# Allegro board 6089-103-RevA_73.brd (continued)
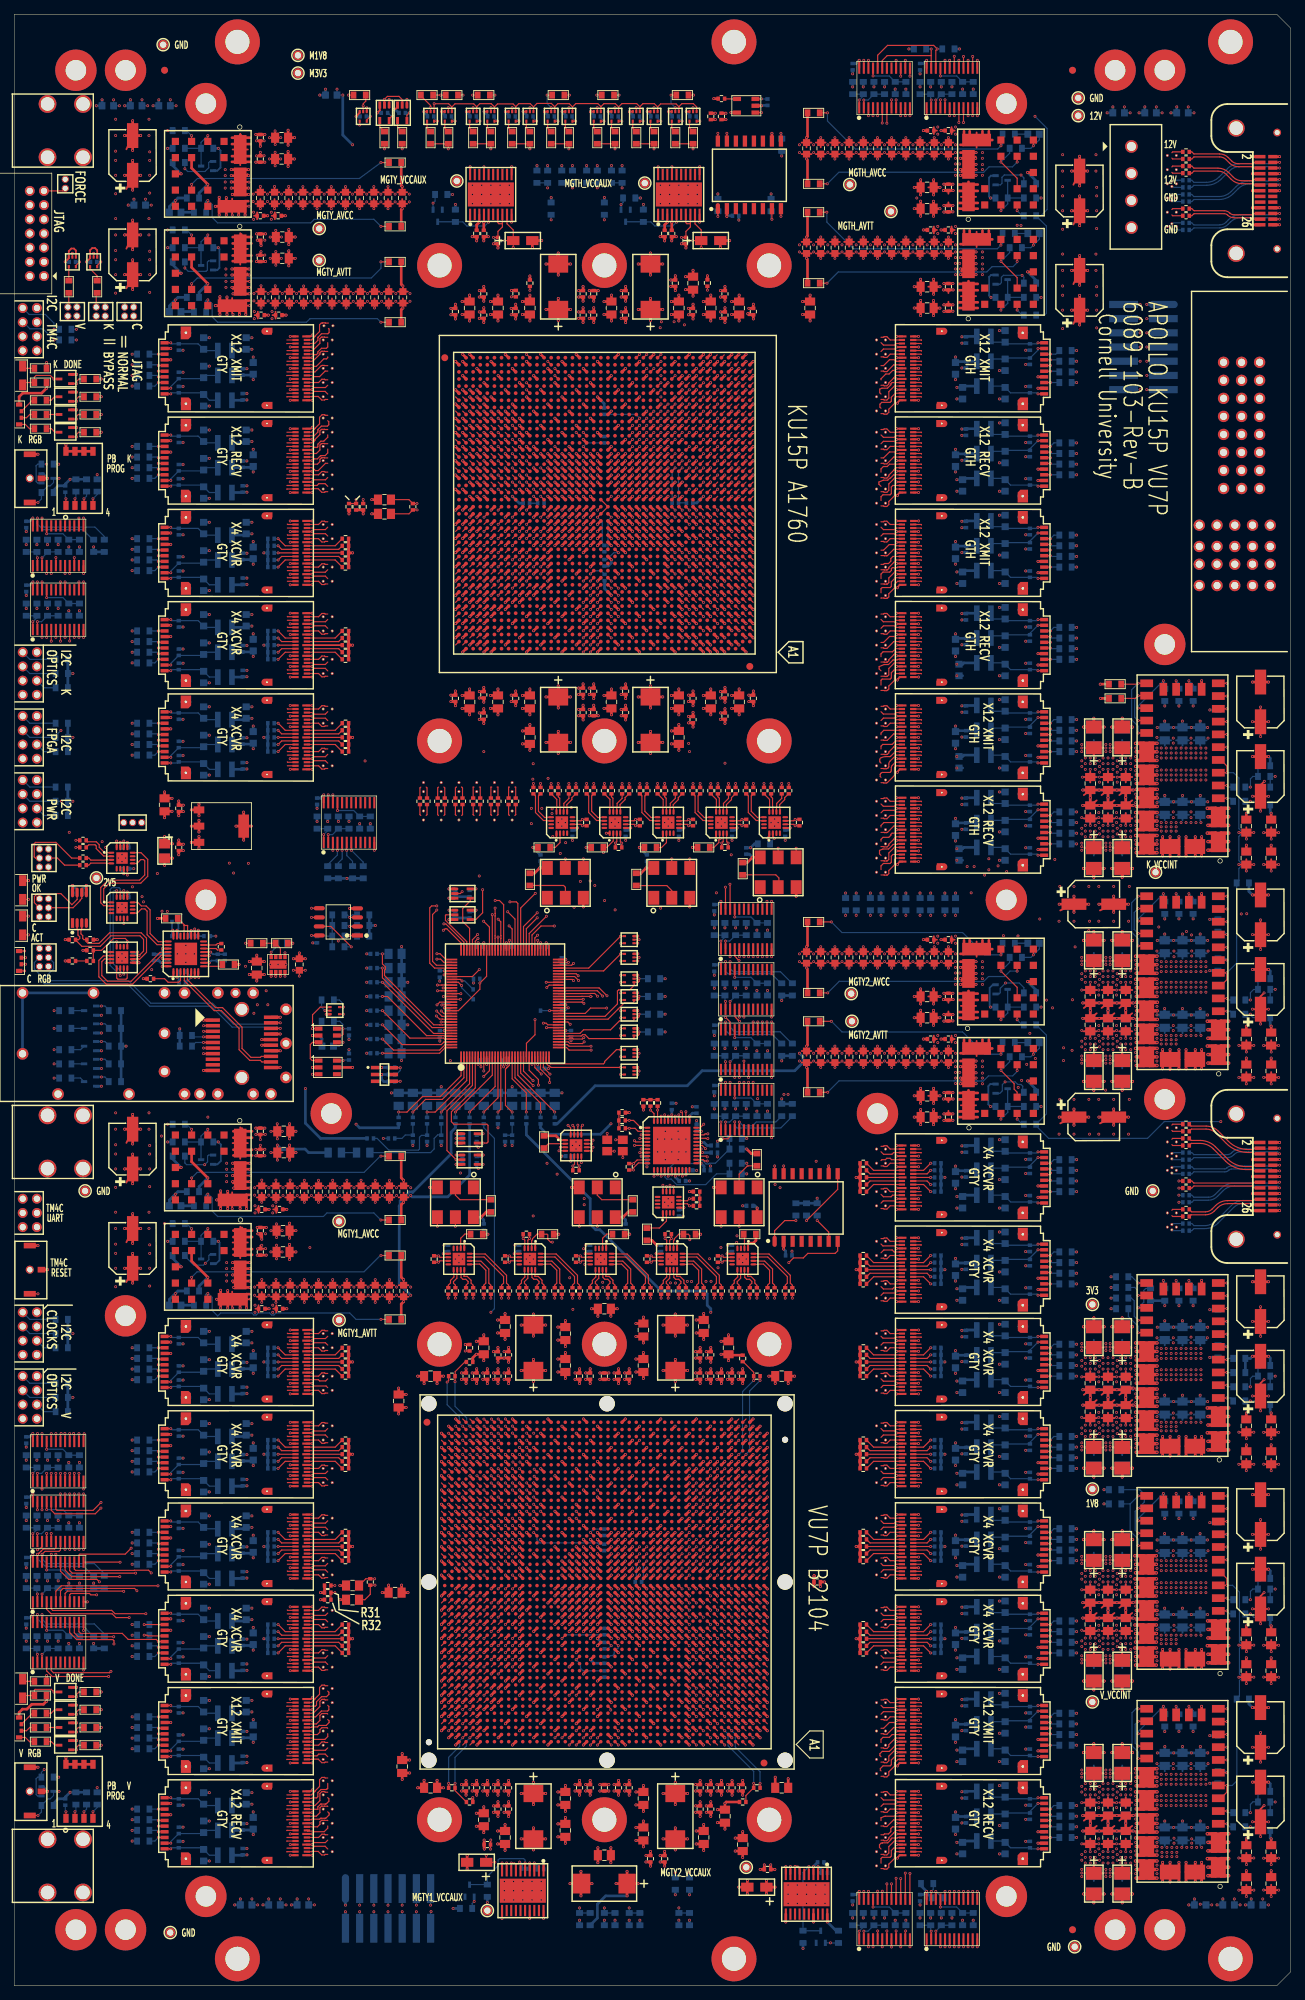
[diagram p0: board, top side]
## Placement (name value [footprint] x y rotation side) (continued)
C95  47 UF  [CAPC_EIA0805]  58.7 27.9 180 top
C96  0.1 UF  [CAPC_EIA0402]  59.7 166.9 90 top
C97  0.1 UF  [CAPC_EIA0402]  60.7 166.9 90 top
C98  0.1 UF  [CAPC_EIA0402]  61.2 97.9 270 top
C99  0.1 UF  [CAPC_EIA0402]  62.2 235.9 90 top
C100  0.1 UF  [CAPC_EIA0402]  62.2 181.4 270 top
C101  0.1 UF  [CAPC_EIA0402]  62.2 166.9 90 top
C102  0.1 UF  [CAPC_EIA0402]  62.2 97.9 270 top
C103  0.1 UF  [CAPC_EIA0402]  63.2 166.9 90 top
C104  0.1 UF  [CAPC_EIA0402]  63.7 97.9 270 top
C105  4.7 UF  [CAPC_EIA0402]  63.7 85.9 90 top
C106  4.7 UF  [CAPC_EIA0402]  63.7 27.9 270 top
C107  47 UF  [CAPC_EIA0805]  64.2 236.4 90 top
C108  47 UF  [CAPC_EIA0805]  64.2 180.9 270 top
C109  0.1 UF  [CAPC_EIA0402]  64.7 166.9 90 top
C110  0.1 UF  [CAPC_EIA0402]  64.7 97.9 270 top
C111  4.7 UF  [CAPC_EIA0402]  65.2 246.9 270 top
C112  4.7 UF  [CAPC_EIA0402]  65.2 85.9 90 top
C113  0.1 UF  [CAPC_EIA0402]  65.2 27.9 270 top
C114  100 UF  [CAPTANT_3216_P1]  65.2 17.4 180 top
C115  0.1 UF  [CAPC_EIA0402]  65.7 166.9 90 top
C116  0.1 UF  [CAPC_EIA0402]  66.2 246.9 270 top
C117  4.7 UF  [CAPC_EIA0402]  66.2 238.4 90 top
C118  4.7 UF  [CAPC_EIA0402]  66.2 235.4 90 top
C119  4.7 UF  [CAPC_EIA0402]  66.2 181.9 270 top
C120  4.7 UF  [CAPC_EIA0402]  66.2 178.9 270 top
C121  0.1 UF  [CAPC_EIA0402]  66.2 97.9 270 top
C122  47 UF  [CAPC_EIA0805]  66.2 89.9 90 top
C123  47 UF  [CAPC_EIA0805]  66.2 23.4 270 top
C124  0.1 UF  [CAPC_EIA0402]  66.7 85.9 90 top
C125  4.7 UF  [CAPC_EIA0402]  66.7 27.9 270 top
C126  0.1 UF  [CAPC_EIA0402]  66.7 19.9 180 top
C127  0.1 UF  [CAPC_EIA0402]  67.2 166.9 270 top
C128  0.1 UF  [CAPC_EIA0402]  67.2 97.9 270 top
C129  0.1 UF  [CAPC_EIA0402]  68.2 245.9 270 top
C130  47 UF  [CAPC_EIA0805]  68.2 236.4 90 top
C131  47 UF  [CAPC_EIA0805]  68.2 180.9 270 top
C132  0.1 UF  [CAPC_EIA0402]  68.2 166.9 270 top
C133  0.1 UF  [CAPC_EIA0402]  68.2 88.9 90 top
C134  4.7 UF  [CAPC_EIA0402]  68.2 85.9 90 top
C135  4.7 UF  [CAPC_EIA0402]  68.2 27.9 270 top
C136  0.1 UF  [CAPC_EIA0402]  68.2 24.9 270 top
C137  0.1 UF  [CAPC_EIA0402]  68.7 97.9 270 top
C138  47 UF  [CAPC_EIA0805]  69.2 92.9 90 top
C139  47 UF  [CAPC_EIA0805]  69.2 20.9 270 top
C140  0.1 UF  [CAPC_EIA0402]  69.7 166.9 270 top
C141  0.1 UF  [CAPC_EIA0402]  69.7 97.9 270 top
C142  4.7 UF  [CAPC_EIA0402]  69.7 88.9 90 top
C143  4.7 UF  [CAPC_EIA0402]  69.7 85.9 90 top
C144  4.7 UF  [CAPC_EIA0402]  69.7 27.9 270 top
C145  4.7 UF  [CAPC_EIA0402]  69.7 24.9 270 top
C146  4.7 UF  [CAPC_EIA0402]  70.7 235.9 90 top
C147  4.7 UF  [CAPC_EIA0402]  70.7 181.4 270 top
C148  0.1 UF  [CAPC_EIA0402]  70.7 166.9 270 top
C149  0.1 UF  [CAPC_EIA0402]  71.2 97.9 270 top
C150  100 UF  [CAPTANT_3216_P1]  71.7 245.9 0 top
C151  0.1 UF  [CAPC_EIA0402]  72.2 97.9 270 top
C152  47 UF  [CAPC_EIA0805]  72.7 236.4 90 top
C153  100 UF  [CAPC_EIA0805]  72.7 180.9 270 top
C154  47 UF  [CAPC_EIA0805]  72.7 175.9 270 top
C155  0.1 UF  [CAPC_EIA0402]  73.2 168.4 90 top
C156  470 UF  [CAPTANT_7343_P1]  73.2 89.9 90 top
C157  470 UF  [CAPTANT_7343_P1]  73.2 23.9 270 top
C158  0.1 UF  [CAPC_EIA0402]  73.7 97.9 270 top
C159  0.1 UF  [CAPC_EIA0402]  74.2 168.4 90 top
C160  0.1 UF  [CAPC_EIA0402]  74.7 97.9 270 top
C161  0.1 UF  [CAPC_EIA0402]  75.7 168.4 90 top
C162  0.1 UF  [CAPC_EIA0402]  76.2 97.9 270 top
C163  470 UF  [CAPTANT_7343_P1]  76.7 239.4 90 top
C164  470 UF  [CAPTANT_7343_P1]  76.7 178.4 270 top
C165  0.1 UF  [CAPC_EIA0402]  76.7 168.4 90 top
C166  0.1 UF  [CAPC_EIA0402]  77.2 97.9 270 top
C167  100 UF  [CAPC_EIA0805]  77.7 91.9 90 top
C168  100 UF  [CAPC_EIA0805]  77.7 87.4 90 top
C169  100 UF  [CAPC_EIA0805]  77.7 26.4 270 top
C170  100 UF  [CAPC_EIA0805]  77.7 21.9 270 top
C171  0.1 UF  [CAPC_EIA0402]  78.2 168.4 90 top
C172  0.1 UF  [CAPC_EIA0402]  78.7 97.9 270 top
C173  0.1 UF  [CAPC_EIA0402]  79.2 168.4 90 top
C174  0.1 UF  [CAPC_EIA0402]  79.7 97.9 270 top
C175  4.7 UF  [CAPC_EIA0402]  79.7 85.9 90 top
C176  4.7 UF  [CAPC_EIA0402]  79.7 27.9 270 top
C177  4.7 UF  [CAPC_EIA0402]  80.2 238.4 90 top
C178  4.7 UF  [CAPC_EIA0402]  80.2 235.4 90 top
C179  4.7 UF  [CAPC_EIA0402]  80.2 182.4 270 top
C180  4.7 UF  [CAPC_EIA0402]  80.2 179.4 270 top
C181  0.1 UF  [CAPC_EIA0402]  80.7 168.4 90 top
C182  0.1 UF  [CAPC_EIA0402]  81.2 97.9 270 top
C183  4.7 UF  [CAPC_EIA0402]  81.2 85.9 90 top
C184  4.7 UF  [CAPC_EIA0402]  81.2 27.9 270 top
C185  0.1 UF  [CAPC_EIA0402]  81.7 238.4 90 top
C186  4.7 UF  [CAPC_EIA0402]  81.7 235.4 90 top
C187  4.7 UF  [CAPC_EIA0402]  81.7 182.4 270 top
C188  0.1 UF  [CAPC_EIA0402]  81.7 179.4 270 top
C189  0.1 UF  [CAPC_EIA0402]  81.7 168.4 90 top
C190  0.1 UF  [CAPC_EIA0402]  82.2 97.9 270 top
C191  0.1 UF  [CAPC_EIA0402]  83.2 168.4 90 top
C192  47 UF  [CAPC_EIA0805]  83.2 95.4 0 top
C193  4.7 UF  [CAPC_EIA0402]  83.2 85.9 90 top
C194  4.7 UF  [CAPC_EIA0402]  83.2 27.9 270 top
C195  47 UF  [CAPC_EIA0805]  83.2 18.4 0 top
C196  470 UF  [CAPTANT_7343_P1]  83.2 14.4 180 top
C197  0.1 UF  [CAPC_EIA0402]  83.7 97.9 270 top
C198  100 UF  [CAPC_EIA0805]  84.2 236.4 90 top
C199  47 UF  [CAPC_EIA0805]  84.2 180.9 270 top
C200  0.1 UF  [CAPC_EIA0402]  84.2 168.4 90 top
C201  0.1 UF  [CAPC_EIA0402]  84.7 97.9 270 top
C202  4.7 UF  [CAPC_EIA0402]  85.2 85.9 90 top
C203  4.7 UF  [CAPC_EIA0402]  85.2 27.9 270 top
C204  0.1 UF  [CAPC_EIA0402]  85.7 168.4 90 top
C205  0.1 UF  [CAPC_EIA0402]  85.7 123.03 0 top
C206  4.7 UF  [CAPC_EIA0402]  86.2 238.4 90 top
C207  4.7 UF  [CAPC_EIA0402]  86.2 235.4 90 top
C208  4.7 UF  [CAPC_EIA0402]  86.2 182.4 270 top
C209  4.7 UF  [CAPC_EIA0402]  86.2 179.4 270 top
C210  0.1 UF  [CAPC_EIA0402]  86.2 97.9 270 top
C211  0.1 UF  [CAPC_EIA0402]  86.7 168.4 90 top
C212  4.7 UF  [CAPC_EIA0402]  86.7 85.9 90 top
C213  4.7 UF  [CAPC_EIA0402]  86.7 27.9 270 top
C214  0.1 UF  [CAPC_EIA0402]  87.2 97.9 270 top
C215  0.1 UF  [CAPC_EIA0402]  88.2 168.4 90 top
C216  0.1 UF  [CAPC_EIA0402]  88.7 124.4 270 top
C217  0.1 UF  [CAPC_EIA0402]  88.7 97.9 270 top
C218  47 UF  [CAPC_EIA0805]  88.7 92.4 90 top
C219  100 UF  [CAPC_EIA0805]  88.7 87.4 90 top
C220  100 UF  [CAPC_EIA0805]  88.7 26.4 270 top
C221  100 UF  [CAPC_EIA0805]  88.7 21.4 270 top
C222  0.1 UF  [CAPC_EIA0402]  89.2 168.4 90 top
C223  470 UF  [CAPTANT_7343_P1]  89.7 239.4 90 top
C224  470 UF  [CAPTANT_7343_P1]  89.7 178.4 270 top
C225  0.1 UF  [CAPC_EIA0402]  89.7 97.9 270 top
C226  4.7 UF  [CAPC_EIA0402]  89.7 17.9 270 top
C227  0.1 UF  [CAPC_EIA0402]  90.7 168.4 90 top
C228  0.1 UF  [CAPC_EIA0402]  91.2 97.9 270 top
C229  4.7 UF  [CAPC_EIA0402]  91.7 246.9 270 top
C230  0.1 UF  [CAPC_EIA0402]  91.7 168.4 90 top
C231  4.7 UF  [CAPC_EIA0402]  91.7 17.9 270 top
C232  0.1 UF  [CAPC_EIA0402]  92.2 97.9 270 top
C233  0.1 UF  [CAPC_EIA0402]  92.7 246.9 270 top
C234  0.1 UF  [CAPC_EIA0402]  93.2 239.9 90 top
C235  0.1 UF  [CAPC_EIA0402]  93.2 168.4 90 top
C236  470 UF  [CAPTANT_7343_P1]  93.2 89.9 90 top
C237  470 UF  [CAPTANT_7343_P1]  93.2 23.9 270 top
C238  47 UF  [CAPC_EIA0805]  93.7 236.4 270 top
C239  100 UF  [CAPC_EIA0805]  93.7 180.9 270 top
C240  47 UF  [CAPC_EIA0805]  93.7 175.9 270 top
C241  0.1 UF  [CAPC_EIA0402]  93.7 97.9 270 top
C242  0.1 UF  [CAPC_EIA0402]  94.2 168.4 90 top
C243  0.1 UF  [CAPC_EIA0402]  94.7 245.9 270 top
C244  0.1 UF  [CAPC_EIA0402]  94.7 97.9 270 top
C245  47 UF  [CAPC_EIA0805]  95.7 239.9 90 top
C246  4.7 UF  [CAPC_EIA0402]  95.7 235.9 90 top
C247  4.7 UF  [CAPC_EIA0402]  95.7 181.4 270 top
C248  0.1 UF  [CAPC_EIA0402]  95.7 178.4 270 top
C249  0.1 UF  [CAPC_EIA0402]  95.7 168.4 90 top
C250  0.1 UF  [CAPC_EIA0402]  96.2 111.9 180 top
C251  0.1 UF  [CAPC_EIA0402]  96.2 97.9 270 top
C252  0.1 UF  [CAPC_EIA0402]  96.7 168.4 90 top
C253  4.7 UF  [CAPC_EIA0402]  96.7 88.9 90 top
C254  4.7 UF  [CAPC_EIA0402]  96.7 85.9 90 top
C255  4.7 UF  [CAPC_EIA0402]  96.7 27.9 270 top
C256  4.7 UF  [CAPC_EIA0402]  96.7 24.9 270 top
C257  0.1 UF  [CAPC_EIA0402]  97.2 97.9 270 top
C258  47 UF  [CAPC_EIA0805]  97.2 92.9 90 top
C259  47 UF  [CAPC_EIA0805]  97.2 20.9 270 top
C260  0.1 UF  [CAPC_EIA0402]  98.2 263.4 270 top
C261  100 UF  [CAPTANT_3216_P1]  98.2 245.9 0 top
C262  47 UF  [CAPC_EIA0805]  98.2 236.4 90 top
C263  47 UF  [CAPC_EIA0805]  98.2 180.9 270 top
C264  0.1 UF  [CAPC_EIA0402]  98.2 168.4 90 top
C265  0.1 UF  [CAPC_EIA0402]  98.2 88.9 90 top
C266  4.7 UF  [CAPC_EIA0402]  98.2 85.9 90 top
C267  4.7 UF  [CAPC_EIA0402]  98.2 27.9 270 top
C268  0.1 UF  [CAPC_EIA0402]  98.2 24.9 270 top
C269  0.1 UF  [CAPC_EIA0402]  98.7 97.9 270 top
C270  0.1 UF  [CAPC_EIA0402]  99.2 168.4 90 top
C271  0.01 UF  [CAPC_EIA0402]  99.7 265.9 180 top
C272  4.7 UF  [CAPC_EIA0402]  99.7 263.4 270 top
C273  0.1 UF  [CAPC_EIA0402]  99.7 97.9 270 top
C274  4.7 UF  [CAPC_EIA0402]  99.7 85.9 90 top
C275  4.7 UF  [CAPC_EIA0402]  99.7 27.9 270 top
C276  4.7 UF  [CAPC_EIA0402]  100.2 238.4 90 top
C277  4.7 UF  [CAPC_EIA0402]  100.2 235.4 90 top
C278  4.7 UF  [CAPC_EIA0402]  100.2 181.9 270 top
C279  4.7 UF  [CAPC_EIA0402]  100.2 178.9 270 top
C280  47 UF  [CAPC_EIA0805]  100.2 23.9 270 top
C281  0.1 UF  [CAPC_EIA0402]  100.7 168.4 90 top
C282  47 UF  [CAPC_EIA0805]  100.7 89.9 90 top
C283  0.1 UF  [CAPC_EIA0402]  101.2 97.9 270 top
C284  0.1 UF  [CAPC_EIA0402]  101.2 85.9 90 top
C285  0.1 UF  [CAPC_EIA0402]  101.2 27.9 270 top
C286  0.1 UF  [CAPC_EIA0402]  101.7 168.4 90 top
C287  47 UF  [CAPC_EIA0805]  102.2 236.4 90 top
C288  47 UF  [CAPC_EIA0805]  102.2 180.9 270 top
C289  0.1 UF  [CAPC_EIA0402]  102.2 97.9 270 top
C290  4.7 UF  [CAPC_EIA0402]  102.7 85.9 90 top
C291  4.7 UF  [CAPC_EIA0402]  102.7 27.9 270 top
C292  47 UF  [CAPC_EIA0805]  102.7 19.9 270 top
C293  0.1 UF  [CAPC_EIA0402]  103.2 168.4 90 top
C294  0.1 UF  [CAPC_EIA0402]  103.7 97.9 270 top
C295  0.1 UF  [CAPC_EIA0402]  104.2 235.9 90 top
C296  0.1 UF  [CAPC_EIA0402]  104.2 181.4 270 top
C297  0.1 UF  [CAPC_EIA0402]  104.2 168.4 90 top
C298  0.1 UF  [CAPC_EIA0402]  104.7 97.9 270 top
C299  100 UF  [CAPTANT_3216_P1]  104.7 13.9 180 top
C300  0.1 UF  [CAPC_EIA0402]  105.7 168.4 90 top
C301  0.1 UF  [CAPC_EIA0402]  106.2 97.9 270 top
C302  0.1 UF  [CAPC_EIA0402]  106.2 16.4 180 top
C303  0.1 UF  [CAPC_EIA0402]  106.7 168.4 90 top
C304  0.1 UF  [CAPC_EIA0402]  107.2 97.9 270 top
C305  0.1 UF  [CAPC_EIA0402]  108.2 168.4 90 top
C306  47 UF  [CAPC_EIA0805]  108.2 85.9 0 top
C307  47 UF  [CAPC_EIA0805]  108.2 27.9 0 top
C308  0.1 UF  [CAPC_EIA0402]  108.7 97.9 270 top
C309  0.1 UF  [CAPC_EIA0402]  109.2 168.4 90 top
C310  0.1 UF  [CAPC_EIA0402]  109.7 97.9 270 top
C311  22 UF  [CAPC_EIA0603]  111.7 258.9 270 top
C312  22 UF  [CAPC_EIA0603]  111.7 244.9 270 top
C313  22 UF  [CAPC_EIA0603]  111.7 144.9 270 top
C314  22 UF  [CAPC_EIA0603]  111.7 130.9 270 top
C315  47 UF  [CAPC_EIA0805]  112.2 236.4 90 top
C316  4.7 UF  [CAPC_EIA0402]  113.2 56.9 0 top
C317  22 UF  [CAPC_EIA0603]  113.7 258.9 270 top
C318  22 UF  [CAPC_EIA0603]  113.7 244.9 270 top
C319  22 UF  [CAPC_EIA0603]  113.7 144.9 270 top
C320  22 UF  [CAPC_EIA0603]  113.7 130.9 270 top
C321  22 UF  [CAPC_EIA0603]  115.7 258.9 270 top
C322  22 UF  [CAPC_EIA0603]  115.7 244.9 270 top
C323  22 UF  [CAPC_EIA0603]  115.7 144.9 270 top
C324  22 UF  [CAPC_EIA0603]  115.7 130.9 270 top
C325  22 UF  [CAPC_EIA0603]  117.7 258.9 270 top
C326  22 UF  [CAPC_EIA0603]  117.7 244.9 270 top
C327  22 UF  [CAPC_EIA0603]  117.7 144.9 270 top
C328  22 UF  [CAPC_EIA0603]  117.7 130.9 270 top
C329  22 UF  [CAPC_EIA0603]  119.7 258.9 270 top
C330  22 UF  [CAPC_EIA0603]  119.7 244.9 270 top
C331  22 UF  [CAPC_EIA0603]  119.7 144.9 270 top
C332  22 UF  [CAPC_EIA0603]  119.7 130.9 270 top
C333  22 UF  [CAPC_EIA0603]  121.7 258.9 270 top
C334  22 UF  [CAPC_EIA0603]  121.7 244.9 270 top
C335  22 UF  [CAPC_EIA0603]  121.7 144.9 270 top
C336  22 UF  [CAPC_EIA0603]  121.7 130.9 270 top
C337  22 UF  [CAPC_EIA0603]  123.7 258.9 270 top
C338  22 UF  [CAPC_EIA0603]  123.7 244.9 270 top
C339  22 UF  [CAPC_EIA0603]  123.7 144.9 270 top
C340  22 UF  [CAPC_EIA0603]  123.7 130.9 270 top
C341  22 UF  [CAPC_EIA0603]  125.7 258.9 270 top
C342  22 UF  [CAPC_EIA0603]  125.7 244.9 270 top
C343  22 UF  [CAPC_EIA0603]  125.7 144.9 270 top
C344  22 UF  [CAPC_EIA0603]  125.7 130.9 270 top
C345  22 UF  [CAPC_EIA0603]  127.7 258.9 270 top
C346  22 UF  [CAPC_EIA0603]  127.7 244.9 270 top
C347  22 UF  [CAPC_EIA0603]  127.7 144.9 270 top
C348  22 UF  [CAPC_EIA0603]  127.7 130.9 270 top
C349  22 UF  [CAPC_EIA0805]  128.7 253.4 180 top
C350  22 UF  [CAPC_EIA0805]  128.7 250.4 180 top
C351  22 UF  [CAPC_EIA0805]  128.7 239.4 180 top
C352  22 UF  [CAPC_EIA0805]  128.7 236.4 180 top
C353  22 UF  [CAPC_EIA0805]  128.7 139.4 180 top
C354  22 UF  [CAPC_EIA0805]  128.7 136.4 180 top
C355  22 UF  [CAPC_EIA0805]  128.7 125.4 180 top
C356  22 UF  [CAPC_EIA0805]  128.7 122.4 180 top
C357  0.1 UF  [CAPC_EIA0402]  129.2 261.4 180 top
C358  0.1 UF  [CAPC_EIA0402]  129.2 247.4 180 top
C359  0.1 UF  [CAPC_EIA0402]  129.2 147.4 180 top
C360  0.1 UF  [CAPC_EIA0402]  129.2 133.4 180 top
C361  22 UF  [CAPC_EIA0603]  129.7 258.9 270 top
C362  22 UF  [CAPC_EIA0603]  129.7 244.9 270 top
C363  22 UF  [CAPC_EIA0603]  129.7 144.9 270 top
C364  22 UF  [CAPC_EIA0603]  129.7 130.9 270 top
C365  0.047 UF  [CAPC_EIA0402]  131.7 261.4 180 top
C366  22 UF  [CAPC_EIA0603]  131.7 258.9 270 top
C367  0.047 UF  [CAPC_EIA0402]  131.7 253.4 90 top
C368  0.1 UF  [CAPC_EIA0402]  131.7 250.4 270 top
C369  0.047 UF  [CAPC_EIA0402]  131.7 247.4 180 top
C370  22 UF  [CAPC_EIA0603]  131.7 244.9 270 top
C371  0.047 UF  [CAPC_EIA0402]  131.7 239.4 90 top
C372  0.1 UF  [CAPC_EIA0402]  131.7 236.4 270 top
C373  0.047 UF  [CAPC_EIA0402]  131.7 147.4 180 top
C374  22 UF  [CAPC_EIA0603]  131.7 144.9 270 top
C375  0.047 UF  [CAPC_EIA0402]  131.7 139.4 90 top
C376  0.1 UF  [CAPC_EIA0402]  131.7 136.4 270 top
C377  0.047 UF  [CAPC_EIA0402]  131.7 133.4 180 top
C378  22 UF  [CAPC_EIA0603]  131.7 130.9 270 top
C379  0.047 UF  [CAPC_EIA0402]  131.7 125.4 90 top
C380  0.1 UF  [CAPC_EIA0402]  131.7 122.4 270 top
C381  120 UF  [CAP_PANASONIC_C6]  150.2 252.9 90 top
C382  120 UF  [CAP_PANASONIC_C6]  150.2 238.9 90 top
C383  100 UF  [CAPC_EIA0805]  151.7 169.4 270 top
C384  100 UF  [CAPC_EIA0805]  151.7 165.4 90 top
C385  100 UF  [CAPC_EIA0805]  151.7 139.4 270 top
C386  100 UF  [CAPC_EIA0805]  151.7 135.4 90 top
C387  100 UF  [CAPC_EIA0805]  151.7 84.9 270 top
C388  100 UF  [CAPC_EIA0805]  151.7 80.9 90 top
C389  100 UF  [CAPC_EIA0805]  151.7 54.9 270 top
C390  100 UF  [CAPC_EIA0805]  151.7 50.9 90 top
C391  100 UF  [CAPC_EIA0805]  151.7 24.9 270 top
C392  100 UF  [CAPC_EIA0805]  151.7 20.9 90 top
C393  330 UF  [CAPTANT_3528_P1]  152.2 175.9 90 top
C394  330 UF  [CAPTANT_3528_P1]  152.2 158.9 270 top
C395  120 UF  [CAP_PANASONIC_C6]  152.2 152.4 0 top
C396  330 UF  [CAPTANT_3528_P1]  152.2 145.9 90 top
C397  330 UF  [CAPTANT_3528_P1]  152.2 128.9 270 top
C398  120 UF  [CAP_PANASONIC_C6]  152.2 122.4 0 top
C399  220 UF  [CAPTANT_3528_P1]  152.2 91.4 90 top
C400  220 UF  [CAPTANT_3528_P1]  152.2 74.4 270 top
C401  330 UF  [CAPTANT_3528_P1]  152.2 61.4 90 top
C402  330 UF  [CAPTANT_3528_P1]  152.2 44.4 270 top
C403  330 UF  [CAPTANT_3528_P1]  152.2 31.4 90 top
C404  330 UF  [CAPTANT_3528_P1]  152.2 14.4 270 top
C405  100 UF  [CAPC_EIA0805]  154.2 169.4 270 top
C406  100 UF  [CAPC_EIA0805]  154.2 165.4 90 top
C407  100 UF  [CAPC_EIA0805]  154.2 139.4 270 top
C408  100 UF  [CAPC_EIA0805]  154.2 135.4 90 top
C409  100 UF  [CAPC_EIA0805]  154.2 84.9 270 top
C410  100 UF  [CAPC_EIA0805]  154.2 80.9 90 top
C411  100 UF  [CAPC_EIA0805]  154.2 54.9 270 top
C412  100 UF  [CAPC_EIA0805]  154.2 50.9 90 top
C413  100 UF  [CAPC_EIA0805]  154.2 24.9 270 top
C414  100 UF  [CAPC_EIA0805]  154.2 20.9 90 top
C415  330 UF  [CAPTANT_3528_P1]  156.2 175.9 90 top
C416  330 UF  [CAPTANT_3528_P1]  156.2 158.9 270 top
C417  330 UF  [CAPTANT_3528_P1]  156.2 145.9 90 top
C418  330 UF  [CAPTANT_3528_P1]  156.2 128.9 270 top
C419  220 UF  [CAPTANT_3528_P1]  156.2 91.4 90 top
C420  220 UF  [CAPTANT_3528_P1]  156.2 74.4 270 top
C421  330 UF  [CAPTANT_3528_P1]  156.2 61.4 90 top
C422  330 UF  [CAPTANT_3528_P1]  156.2 44.4 270 top
C423  330 UF  [CAPTANT_3528_P1]  156.2 31.4 90 top
C424  330 UF  [CAPTANT_3528_P1]  156.2 14.4 270 top
C425  100 UF  [CAPC_EIA0805]  156.7 169.4 270 top
C426  100 UF  [CAPC_EIA0805]  156.7 165.4 90 top
C427  100 UF  [CAPC_EIA0805]  156.7 139.4 270 top
C428  100 UF  [CAPC_EIA0805]  156.7 135.4 90 top
C429  100 UF  [CAPC_EIA0805]  156.7 84.9 270 top
C430  100 UF  [CAPC_EIA0805]  156.7 80.9 90 top
C431  100 UF  [CAPC_EIA0805]  156.7 54.9 270 top
C432  100 UF  [CAPC_EIA0805]  156.7 50.9 90 top
C433  100 UF  [CAPC_EIA0805]  156.7 24.9 270 top
C434  100 UF  [CAPC_EIA0805]  156.7 20.9 90 top
C435  0.1 UF  [CAPC_EIA0402]  165.2 258.4 180 top
C436  0.1 UF  [CAPC_EIA0402]  165.2 257.4 180 top
C437  0.1 UF  [CAPC_EIA0402]  165.2 256.4 180 top
C438  0.1 UF  [CAPC_EIA0402]  165.2 255.4 180 top
C439  0.1 UF  [CAPC_EIA0402]  165.2 250.4 180 top
C440  0.1 UF  [CAPC_EIA0402]  165.2 249.4 180 top
C441  0.1 UF  [CAPC_EIA0402]  165.2 121.4 180 top
C442  0.1 UF  [CAPC_EIA0402]  165.2 120.4 180 top
C443  0.1 UF  [CAPC_EIA0402]  165.2 119.4 180 top
C444  0.1 UF  [CAPC_EIA0402]  165.2 118.4 180 top
C445  0.1 UF  [CAPC_EIA0402]  165.2 113.4 180 top
C446  0.1 UF  [CAPC_EIA0402]  165.2 112.4 180 top
C447  0.1 UF  [CAPC_EIA0402]  165.2 109.4 180 top
C448  0.1 UF  [CAPC_EIA0402]  165.2 108.4 180 top
C449  10 UF  [CAPC_EIA0805]  173.7 163.4 90 top
C450  10 UF  [CAPC_EIA0805]  173.7 158.9 90 top
C451  10 UF  [CAPC_EIA0805]  173.7 133.4 90 top
C452  10 UF  [CAPC_EIA0805]  173.7 128.9 90 top
C453  10 UF  [CAPC_EIA0805]  173.7 78.9 90 top
C454  10 UF  [CAPC_EIA0805]  173.7 74.4 90 top
C455  10 UF  [CAPC_EIA0805]  173.7 48.9 90 top
C456  10 UF  [CAPC_EIA0805]  173.7 44.4 90 top
C457  10 UF  [CAPC_EIA0805]  173.7 18.9 90 top
C458  10 UF  [CAPC_EIA0805]  173.7 14.4 90 top
C459  120 UF  [CAP_PANASONIC_C6]  175.7 180.9 90 top
C460  120 UF  [CAP_PANASONIC_C6]  175.7 170.4 90 top
C461  120 UF  [CAP_PANASONIC_C6]  175.7 150.9 90 top
C462  120 UF  [CAP_PANASONIC_C6]  175.7 140.4 90 top
C463  120 UF  [CAP_PANASONIC_C6]  175.7 96.4 90 top
C464  120 UF  [CAP_PANASONIC_C6]  175.7 85.9 90 top
C465  120 UF  [CAP_PANASONIC_C6]  175.7 66.4 90 top
C466  120 UF  [CAP_PANASONIC_C6]  175.7 55.9 90 top
C467  120 UF  [CAP_PANASONIC_C6]  175.7 36.4 90 top
C468  120 UF  [CAP_PANASONIC_C6]  175.7 25.9 90 top
C469  10 UF  [CAPC_EIA0805]  177.2 163.4 90 top
C470  10 UF  [CAPC_EIA0805]  177.2 158.9 90 top
C471  10 UF  [CAPC_EIA0805]  177.2 133.4 90 top
C472  10 UF  [CAPC_EIA0805]  177.2 128.9 90 top
C473  10 UF  [CAPC_EIA0805]  177.2 78.9 90 top
C474  10 UF  [CAPC_EIA0805]  177.2 74.4 90 top
C475  10 UF  [CAPC_EIA0805]  177.2 48.9 90 top
C476  10 UF  [CAPC_EIA0805]  177.2 44.4 90 top
C477  10 UF  [CAPC_EIA0805]  177.2 18.9 90 top
C478  10 UF  [CAPC_EIA0805]  177.2 14.4 90 top
C479  22 UF  [CAPC_EIA0603]  175.2 11.4 180 bottom
C480  22 UF  [CAPC_EIA0603]  171.2 11.4 180 bottom
C481  100 UF  [CAPC_EIA0805]  167.2 176.4 90 bottom
C482  100 UF  [CAPC_EIA0805]  167.2 165.9 90 bottom
C483  100 UF  [CAPC_EIA0805]  167.2 146.4 90 bottom
C484  100 UF  [CAPC_EIA0805]  167.2 135.9 90 bottom
C485  100 UF  [CAPC_EIA0805]  167.2 91.9 90 bottom
C486  100 UF  [CAPC_EIA0805]  167.2 81.4 90 bottom
C487  100 UF  [CAPC_EIA0805]  167.2 61.9 90 bottom
C488  100 UF  [CAPC_EIA0805]  167.2 51.4 90 bottom
C489  100 UF  [CAPC_EIA0805]  167.2 31.9 90 bottom
C490  100 UF  [CAPC_EIA0805]  167.2 21.4 90 bottom
C491  22 UF  [CAPC_EIA0603]  167.2 11.4 180 bottom
C492  0.1 UF  [CAPC_EIA0402]  165.2 254.4 180 bottom
C493  0.1 UF  [CAPC_EIA0402]  165.2 253.4 180 bottom
C494  0.1 UF  [CAPC_EIA0402]  165.2 252.4 180 bottom
C495  0.1 UF  [CAPC_EIA0402]  165.2 251.4 180 bottom
C496  0.1 UF  [CAPC_EIA0402]  165.2 248.4 180 bottom
C497  0.1 UF  [CAPC_EIA0402]  165.2 247.4 180 bottom
C498  0.1 UF  [CAPC_EIA0402]  165.2 117.4 180 bottom
C499  0.1 UF  [CAPC_EIA0402]  165.2 116.4 180 bottom
C500  0.1 UF  [CAPC_EIA0402]  165.2 115.4 180 bottom
C501  0.1 UF  [CAPC_EIA0402]  165.2 114.4 180 bottom
C502  0.1 UF  [CAPC_EIA0402]  165.2 111.4 180 bottom
C503  0.1 UF  [CAPC_EIA0402]  165.2 110.4 180 bottom
C504  0.1 UF  [CAPC_EIA0402]  165.2 107.4 180 bottom
C505  0.1 UF  [CAPC_EIA0402]  165.2 106.4 180 bottom
C506  22 UF  [CAPC_EIA0603]  164.7 263.9 180 bottom
C507  100 UF  [CAPC_EIA0805]  164.7 176.4 90 bottom
C508  100 UF  [CAPC_EIA0805]  164.7 165.9 90 bottom
C509  100 UF  [CAPC_EIA0805]  164.7 146.4 90 bottom
C510  100 UF  [CAPC_EIA0805]  164.7 135.9 90 bottom
C511  100 UF  [CAPC_EIA0805]  164.7 91.9 90 bottom
C512  100 UF  [CAPC_EIA0805]  164.7 81.4 90 bottom
C513  100 UF  [CAPC_EIA0805]  164.7 61.9 90 bottom
C514  100 UF  [CAPC_EIA0805]  164.7 51.4 90 bottom
C515  100 UF  [CAPC_EIA0805]  164.7 31.9 90 bottom
C516  100 UF  [CAPC_EIA0805]  164.7 21.4 90 bottom
C517  100 UF  [CAPC_EIA0805]  162.2 176.4 90 bottom
C518  100 UF  [CAPC_EIA0805]  162.2 165.9 90 bottom
C519  100 UF  [CAPC_EIA0805]  162.2 146.4 90 bottom
C520  100 UF  [CAPC_EIA0805]  162.2 135.9 90 bottom
C521  100 UF  [CAPC_EIA0805]  162.2 91.9 90 bottom
C522  100 UF  [CAPC_EIA0805]  162.2 81.4 90 bottom
C523  100 UF  [CAPC_EIA0805]  162.2 61.9 90 bottom
C524  100 UF  [CAPC_EIA0805]  162.2 51.4 90 bottom
C525  100 UF  [CAPC_EIA0805]  162.2 31.9 90 bottom
C526  100 UF  [CAPC_EIA0805]  162.2 21.4 90 bottom
C527  22 UF  [CAPC_EIA0603]  160.2 263.9 180 bottom
C528  100 UF  [CAPC_EIA0805]  156.7 169.4 270 bottom
C529  100 UF  [CAPC_EIA0805]  156.7 165.4 90.2 bottom
C530  100 UF  [CAPC_EIA0805]  156.7 139.4 269.8 bottom
C531  100 UF  [CAPC_EIA0805]  156.7 135.4 90 bottom
C532  100 UF  [CAPC_EIA0805]  156.7 84.9 270 bottom
C533  100 UF  [CAPC_EIA0805]  156.7 80.9 90 bottom
C534  100 UF  [CAPC_EIA0805]  156.7 54.9 270 bottom
C535  100 UF  [CAPC_EIA0805]  156.7 50.9 90 bottom
C536  100 UF  [CAPC_EIA0805]  156.7 24.9 270 bottom
C537  100 UF  [CAPC_EIA0805]  156.7 20.9 90 bottom
C538  330 UF  [CAPTANT_3528_P1]  156.2 175.9 90 bottom
C539  330 UF  [CAPTANT_3528_P1]  156.2 158.9 270 bottom
C540  330 UF  [CAPTANT_3528_P1]  156.2 145.9 90 bottom
C541  330 UF  [CAPTANT_3528_P1]  156.2 128.9 270 bottom
C542  220 UF  [CAPTANT_3528_P1]  156.2 91.4 90 bottom
C543  220 UF  [CAPTANT_3528_P1]  156.2 74.4 270 bottom
C544  330 UF  [CAPTANT_3528_P1]  156.2 61.4 90 bottom
C545  330 UF  [CAPTANT_3528_P1]  156.2 44.4 270 bottom
C546  330 UF  [CAPTANT_3528_P1]  156.2 31.4 90 bottom
C547  330 UF  [CAPTANT_3528_P1]  156.2 14.4 270 bottom
C548  22 UF  [CAPC_EIA0603]  155.7 263.9 180 bottom
C549  100 UF  [CAPC_EIA0805]  154.21 135.4 90 bottom
C550  100 UF  [CAPC_EIA0805]  154.2 169.4 270 bottom
C551  100 UF  [CAPC_EIA0805]  154.2 165.4 89.7 bottom
C552  100 UF  [CAPC_EIA0805]  154.2 139.4 270.3 bottom
C553  100 UF  [CAPC_EIA0805]  154.2 84.9 270 bottom
C554  100 UF  [CAPC_EIA0805]  154.2 80.9 90 bottom
C555  100 UF  [CAPC_EIA0805]  154.2 54.9 270 bottom
C556  100 UF  [CAPC_EIA0805]  154.2 50.9 90 bottom
C557  100 UF  [CAPC_EIA0805]  154.2 24.9 270 bottom
C558  100 UF  [CAPC_EIA0805]  154.2 20.9 90 bottom
C559  330 UF  [CAPTANT_3528_P1]  152.2 175.9 90 bottom
C560  330 UF  [CAPTANT_3528_P1]  152.2 158.9 270 bottom
C561  330 UF  [CAPTANT_3528_P1]  152.2 145.9 90 bottom
C562  330 UF  [CAPTANT_3528_P1]  152.2 128.9 270 bottom
C563  220 UF  [CAPTANT_3528_P1]  152.2 91.4 90 bottom
C564  220 UF  [CAPTANT_3528_P1]  152.2 74.4 270 bottom
C565  330 UF  [CAPTANT_3528_P1]  152.2 61.4 90 bottom
C566  330 UF  [CAPTANT_3528_P1]  152.2 44.4 270 bottom
C567  330 UF  [CAPTANT_3528_P1]  152.2 31.4 90 bottom
C568  330 UF  [CAPTANT_3528_P1]  152.2 14.4 270 bottom
C569  100 UF  [CAPC_EIA0805]  151.7 169.4 270 bottom
C570  100 UF  [CAPC_EIA0805]  151.7 165.4 89.8 bottom
C571  100 UF  [CAPC_EIA0805]  151.7 139.4 270 bottom
C572  100 UF  [CAPC_EIA0805]  151.7 135.4 90 bottom
C573  100 UF  [CAPC_EIA0805]  151.7 84.9 270 bottom
C574  100 UF  [CAPC_EIA0805]  151.7 80.9 90 bottom
C575  100 UF  [CAPC_EIA0805]  151.7 54.9 270 bottom
C576  100 UF  [CAPC_EIA0805]  151.7 50.9 90 bottom
C577  100 UF  [CAPC_EIA0805]  151.7 24.9 270 bottom
C578  100 UF  [CAPC_EIA0805]  151.7 20.9 90 bottom
C579  820 PF  [CAPC_EIA0603]  143.7 260.9 0 bottom
C580  820 PF  [CAPC_EIA0603]  143.7 246.9 0 bottom
C581  820 PF  [CAPC_EIA0603]  143.7 146.9 0 bottom
C582  820 PF  [CAPC_EIA0603]  143.7 132.9 0 bottom
C583  0.1 UF  [CAPC_EIA0402]  143.2 230.9 270 bottom
C584  0.1 UF  [CAPC_EIA0402]  143.2 228.9 270 bottom
C585  0.1 UF  [CAPC_EIA0402]  143.2 224.9 90 bottom
C586  0.1 UF  [CAPC_EIA0402]  143.2 217.9 270 bottom
C587  0.1 UF  [CAPC_EIA0402]  143.2 215.9 270 bottom
C588  0.1 UF  [CAPC_EIA0402]  143.2 211.9 90 bottom
C589  0.1 UF  [CAPC_EIA0402]  143.2 204.9 270 bottom
C590  0.1 UF  [CAPC_EIA0402]  143.2 202.9 270 bottom
C591  0.1 UF  [CAPC_EIA0402]  143.2 198.9 90 bottom
C592  0.1 UF  [CAPC_EIA0402]  143.2 191.9 270 bottom
C593  0.1 UF  [CAPC_EIA0402]  143.2 189.9 270 bottom
C594  0.1 UF  [CAPC_EIA0402]  143.2 185.9 90 bottom
C595  0.1 UF  [CAPC_EIA0402]  143.2 178.9 270 bottom
C596  0.1 UF  [CAPC_EIA0402]  143.2 176.9 270 bottom
C597  0.1 UF  [CAPC_EIA0402]  143.2 172.9 90 bottom
C598  0.1 UF  [CAPC_EIA0402]  143.2 165.9 270 bottom
C599  0.1 UF  [CAPC_EIA0402]  143.2 163.9 270 bottom
C600  0.1 UF  [CAPC_EIA0402]  143.2 159.9 90 bottom
C601  0.1 UF  [CAPC_EIA0402]  143.2 116.9 270 bottom
C602  0.1 UF  [CAPC_EIA0402]  143.2 114.9 270 bottom
C603  0.1 UF  [CAPC_EIA0402]  143.2 110.9 90 bottom
C604  0.1 UF  [CAPC_EIA0402]  143.2 103.9 270 bottom
C605  0.1 UF  [CAPC_EIA0402]  143.2 101.9 270 bottom
C606  0.1 UF  [CAPC_EIA0402]  143.2 97.9 90 bottom
C607  0.1 UF  [CAPC_EIA0402]  143.2 90.9 270 bottom
C608  0.1 UF  [CAPC_EIA0402]  143.2 88.9 270 bottom
C609  0.1 UF  [CAPC_EIA0402]  143.2 84.9 90 bottom
C610  0.1 UF  [CAPC_EIA0402]  143.2 77.9 270 bottom
C611  0.1 UF  [CAPC_EIA0402]  143.2 75.9 270 bottom
C612  0.1 UF  [CAPC_EIA0402]  143.2 71.9 90 bottom
C613  0.1 UF  [CAPC_EIA0402]  143.2 64.9 270 bottom
C614  0.1 UF  [CAPC_EIA0402]  143.2 62.9 270 bottom
C615  0.1 UF  [CAPC_EIA0402]  143.2 58.9 90 bottom
C616  0.1 UF  [CAPC_EIA0402]  143.2 51.9 270 bottom
C617  0.1 UF  [CAPC_EIA0402]  143.2 49.9 270 bottom
C618  0.1 UF  [CAPC_EIA0402]  143.2 45.9 90 bottom
C619  0.1 UF  [CAPC_EIA0402]  143.2 38.9 270 bottom
C620  0.1 UF  [CAPC_EIA0402]  143.2 36.9 270 bottom
C621  0.1 UF  [CAPC_EIA0402]  143.2 32.9 90 bottom
C622  0.1 UF  [CAPC_EIA0402]  143.2 25.9 270 bottom
C623  0.1 UF  [CAPC_EIA0402]  143.2 23.9 270 bottom
C624  0.1 UF  [CAPC_EIA0402]  143.2 19.9 90 bottom
C625  22 UF  [CAPC_EIA0603]  139.7 232.4 90 bottom
C626  22 UF  [CAPC_EIA0603]  139.7 228.4 270 bottom
C627  22 UF  [CAPC_EIA0603]  139.7 224.4 270 bottom
C628  22 UF  [CAPC_EIA0603]  139.7 219.4 90 bottom
C629  22 UF  [CAPC_EIA0603]  139.7 215.4 270 bottom
C630  22 UF  [CAPC_EIA0603]  139.7 211.4 270 bottom
C631  22 UF  [CAPC_EIA0603]  139.7 206.4 90 bottom
C632  22 UF  [CAPC_EIA0603]  139.7 202.4 270 bottom
C633  22 UF  [CAPC_EIA0603]  139.7 198.4 270 bottom
C634  22 UF  [CAPC_EIA0603]  139.7 193.4 90 bottom
C635  22 UF  [CAPC_EIA0603]  139.7 189.4 270 bottom
C636  22 UF  [CAPC_EIA0603]  139.7 185.4 270 bottom
C637  22 UF  [CAPC_EIA0603]  139.7 180.4 90 bottom
C638  22 UF  [CAPC_EIA0603]  139.7 176.4 270 bottom
C639  22 UF  [CAPC_EIA0603]  139.7 172.4 270 bottom
C640  22 UF  [CAPC_EIA0603]  139.7 167.4 90 bottom
C641  22 UF  [CAPC_EIA0603]  139.7 163.4 270 bottom
C642  22 UF  [CAPC_EIA0603]  139.7 159.4 270 bottom
C643  22 UF  [CAPC_EIA0603]  139.7 118.4 90 bottom
C644  22 UF  [CAPC_EIA0603]  139.7 114.4 270 bottom
C645  22 UF  [CAPC_EIA0603]  139.7 110.4 270 bottom
C646  22 UF  [CAPC_EIA0603]  139.7 105.4 90 bottom
C647  22 UF  [CAPC_EIA0603]  139.7 101.4 270 bottom
C648  22 UF  [CAPC_EIA0603]  139.7 97.4 270 bottom
C649  22 UF  [CAPC_EIA0603]  139.7 92.4 90 bottom
C650  22 UF  [CAPC_EIA0603]  139.7 88.4 270 bottom
C651  22 UF  [CAPC_EIA0603]  139.7 84.4 270 bottom
C652  22 UF  [CAPC_EIA0603]  139.7 79.4 90 bottom
C653  22 UF  [CAPC_EIA0603]  139.7 75.4 270 bottom
C654  22 UF  [CAPC_EIA0603]  139.7 71.4 270 bottom
C655  22 UF  [CAPC_EIA0603]  139.7 66.4 90 bottom
C656  22 UF  [CAPC_EIA0603]  139.7 62.4 270 bottom
C657  22 UF  [CAPC_EIA0603]  139.7 58.4 270 bottom
C658  22 UF  [CAPC_EIA0603]  139.7 53.4 90 bottom
C659  22 UF  [CAPC_EIA0603]  139.7 49.4 270 bottom
C660  22 UF  [CAPC_EIA0603]  139.7 45.4 270 bottom
C661  22 UF  [CAPC_EIA0603]  139.7 40.4 90 bottom
C662  22 UF  [CAPC_EIA0603]  139.7 36.4 270 bottom
C663  22 UF  [CAPC_EIA0603]  139.7 32.4 270 bottom
C664  22 UF  [CAPC_EIA0603]  139.7 27.4 90 bottom
C665  22 UF  [CAPC_EIA0603]  139.7 23.4 270 bottom
C666  22 UF  [CAPC_EIA0603]  139.7 19.4 270 bottom
C667  0.1 UF  [CAPC_EIA0402]  134.2 231.9 270 bottom
C668  0.1 UF  [CAPC_EIA0402]  134.2 228.4 270 bottom
C669  0.1 UF  [CAPC_EIA0402]  134.2 218.9 270 bottom
C670  0.1 UF  [CAPC_EIA0402]  134.2 215.4 270 bottom
C671  0.1 UF  [CAPC_EIA0402]  134.2 205.9 270 bottom
C672  0.1 UF  [CAPC_EIA0402]  134.2 202.4 270 bottom
C673  0.1 UF  [CAPC_EIA0402]  134.2 192.9 270 bottom
C674  0.1 UF  [CAPC_EIA0402]  134.2 189.4 270 bottom
C675  0.1 UF  [CAPC_EIA0402]  134.2 179.9 270 bottom
C676  0.1 UF  [CAPC_EIA0402]  134.2 176.4 270 bottom
C677  0.1 UF  [CAPC_EIA0402]  134.2 166.9 270 bottom
C678  0.1 UF  [CAPC_EIA0402]  134.2 163.4 270 bottom
C679  0.1 UF  [CAPC_EIA0402]  134.2 117.9 270 bottom
C680  0.1 UF  [CAPC_EIA0402]  134.2 114.4 270 bottom
C681  0.1 UF  [CAPC_EIA0402]  134.2 104.9 270 bottom
C682  0.1 UF  [CAPC_EIA0402]  134.2 101.4 270 bottom
C683  0.1 UF  [CAPC_EIA0402]  134.2 91.9 270 bottom
